# Altium PCB STM32F103最小系统板.PcbDoc (part 2 of 2)
Units mm, origin at the board's own origin, x right, y up, seen from the top; angles counter-clockwise.
Board outline 88.77 x 107.95 mm, 2 copper layers (Top Layer, Bottom Layer); 199 components, 158 nets, 632 pads, 213 vias.
Unrouted connection lines stored in the file: 1.
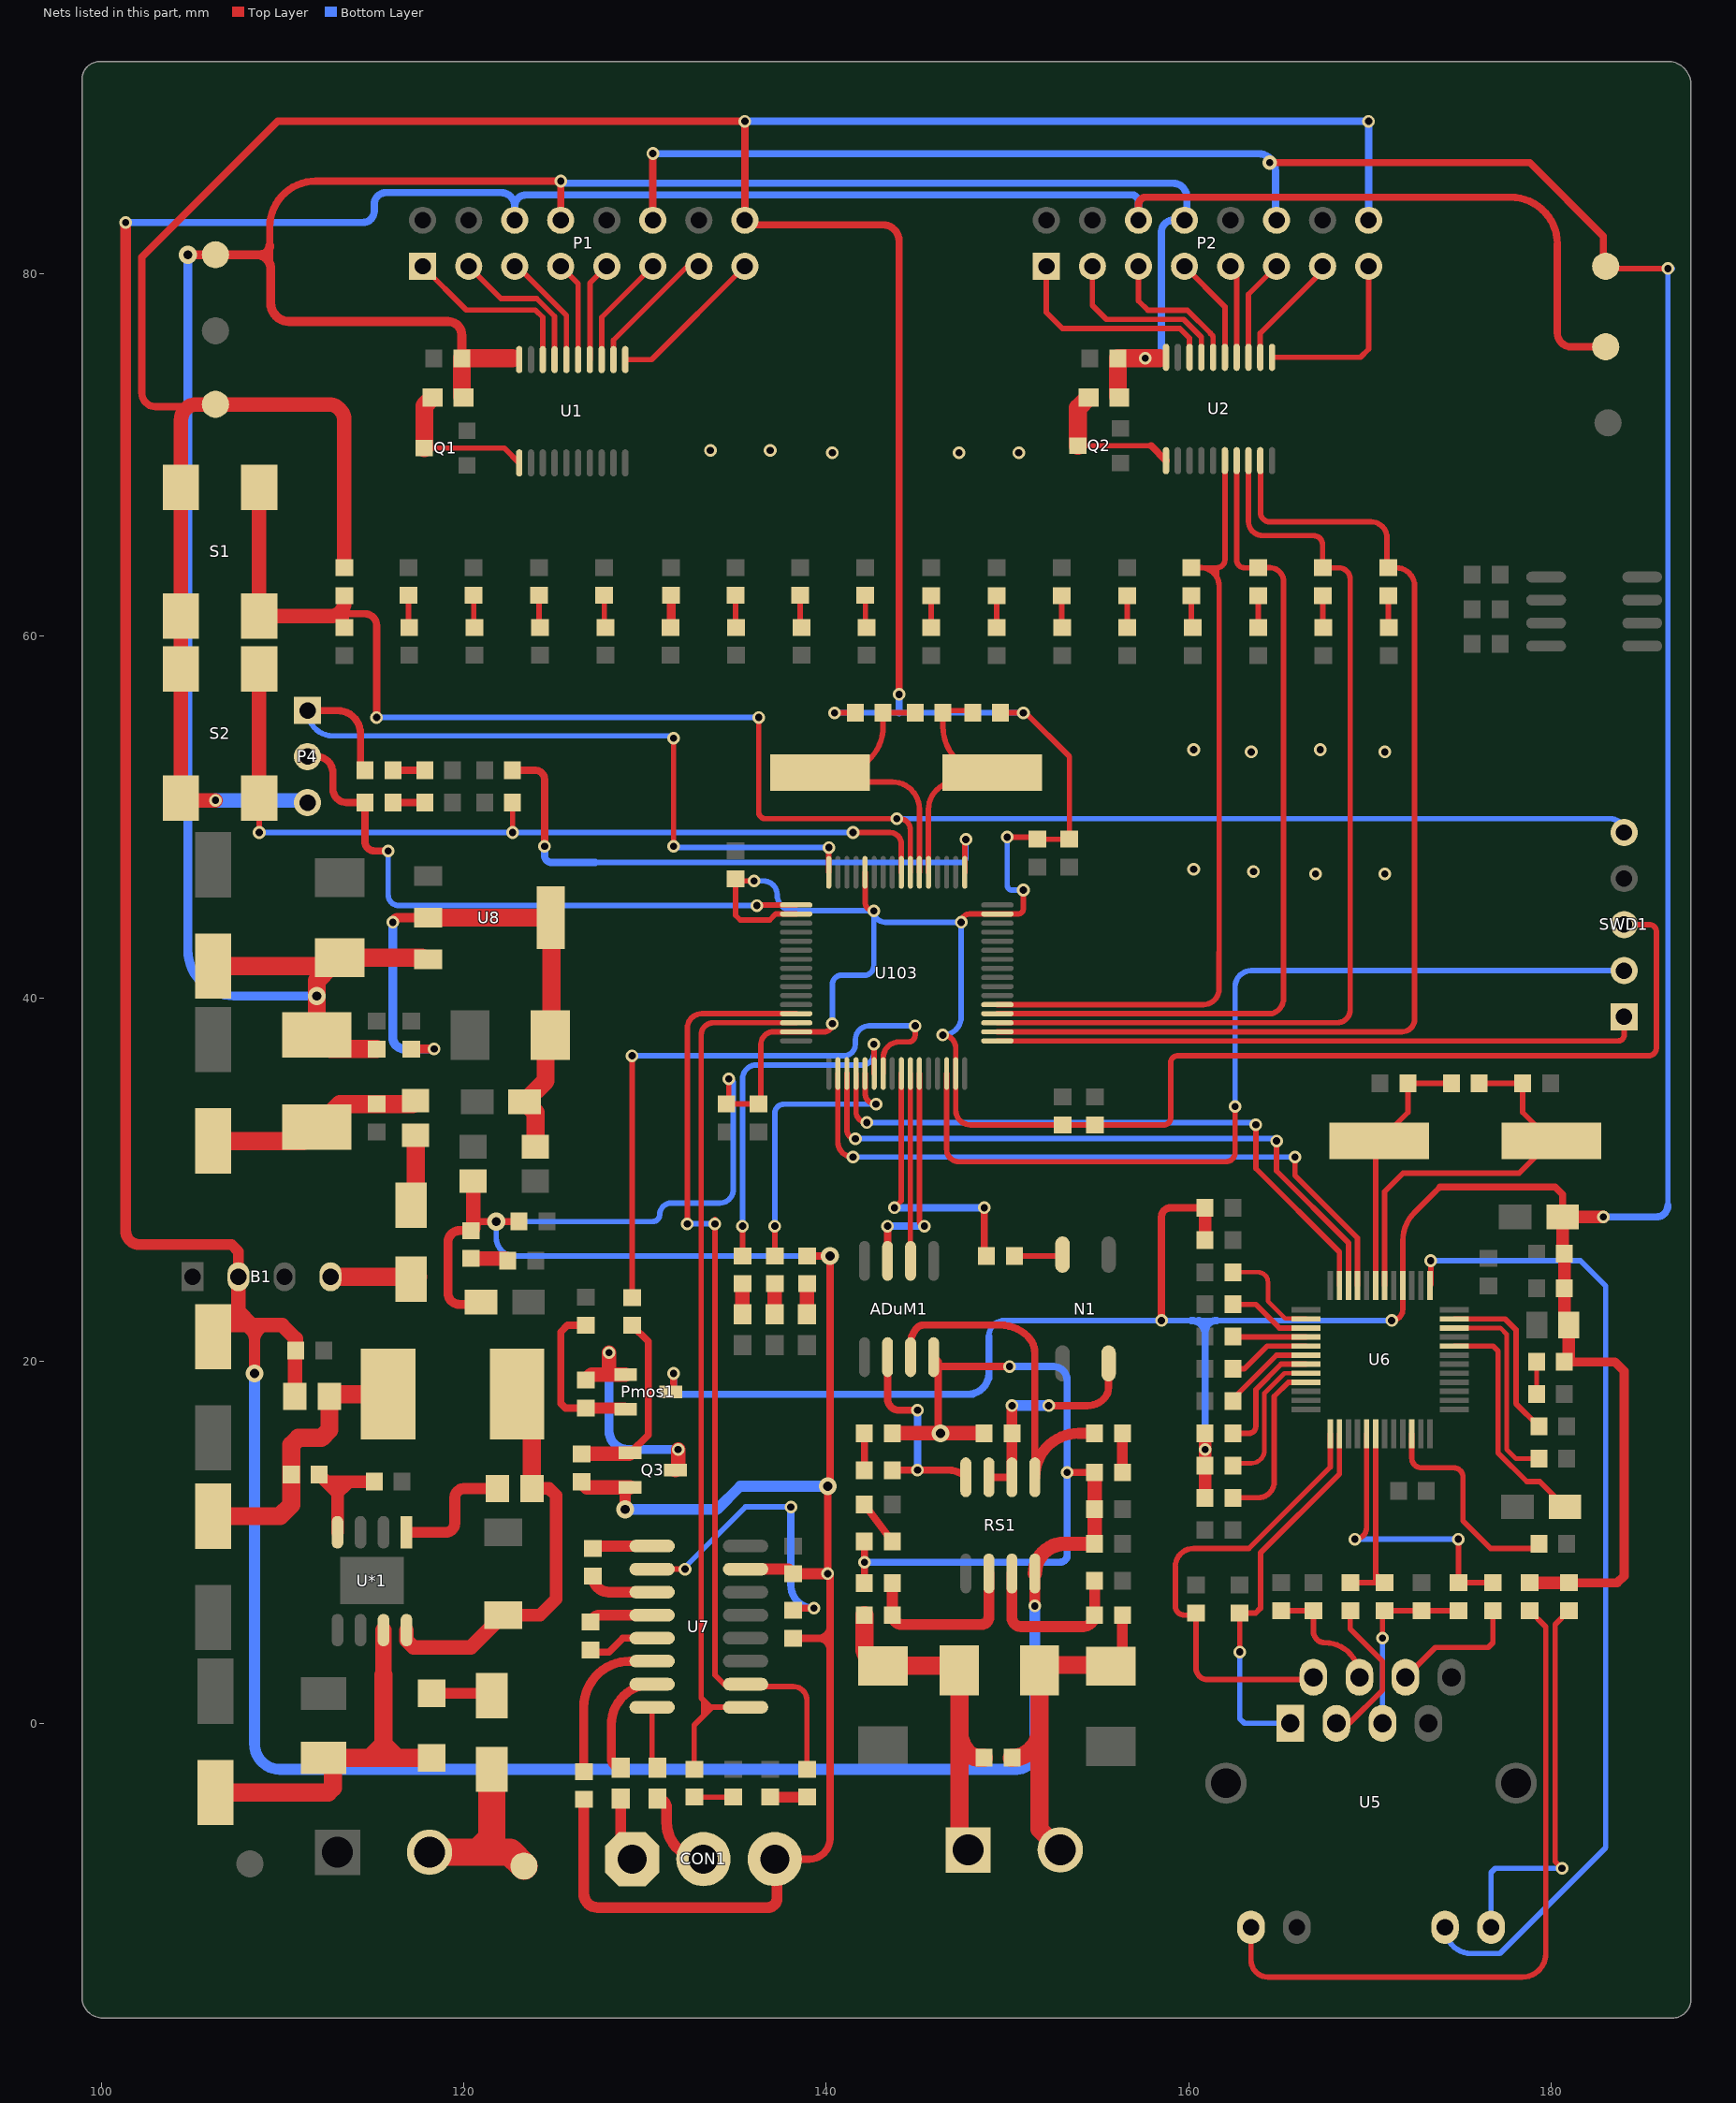
[diagram p2: the nets of this part, all layers, seen from the top]

## Via types
v1: diameter 0.7, hole 0.4, Top Layer to Bottom Layer, 192 vias
v2: diameter 1, hole 0.5, Top Layer to Bottom Layer, 14 vias
v3: diameter 6, hole 3.2, Top Layer to Bottom Layer, 4 vias
v4: diameter 1.3, hole 0.7, Top Layer to Bottom Layer, 2 vias
v5: diameter 0.8, hole 0.4, Top Layer to Bottom Layer, 1 vias

## Nets (pads, with @x,y where several pads share a name; then routed paths per layer and width w, separated by ;. In a path a pad name is that pad's centre, name@x,y a point inside that pad or via, vN(x,y) a via of type N, cw(c..) or ccw(c..) an arc to the next point about the centre after c; other vN are vias at no path point) (continued)
IN_OUT13: D12.K U2.6 U103.53 | length 45.5
  Top Layer w0.3: U103.53@149.441,39.652 160.81,39.652 ccw(c160.81,40.513) 161.671,40.513 161.671,42.545 161.679,42.545 ; 161.679,42.192 161.679,42.545 ; U2.6@161.996,69.667 161.996,64.206 cw(c161.544,64.206) 161.544,63.754 ; 160.783,63.754 cw(c160.655,62.738) 161.544,63.246 ; 160.783,63.754 ccw(c160.655,62.738) 160.655,63.762 D12.K@160.147,63.762 160.147,63.754 160.783,63.754 ; 160.783,63.754 161.544,63.754 ; 161.544,63.246 cw(c160.655,62.738) 161.679,62.738 161.679,42.545 ; 161.544,63.246 161.544,63.754
IN_OUT14: D11.K U2.7 U103.52 | length 48.5
  Top Layer w0.3: U103.52@149.441,39.152 162.433,39.152 ; U2.7@162.646,69.667 162.646,64.176 ccw(c163.068,64.176) 163.068,63.754 D11.K@163.83,63.754 ; 162.695,39.152 162.433,39.152 ; D11.K@163.83,64.008 D11.K@163.83,63.762 164.465,63.762 cw(c164.465,62.992) 165.235,62.992 165.235,40.013 cw(c164.338,40.013) 164.59,39.152 162.433,39.152
IN_OUT15: D14.K U2.8 U103.51 | length 56.1
  Top Layer w0.3: U103.51@149.441,38.652 168.192,38.652 ccw(c168.192,39.37) 168.91,39.37 168.91,41.021 ; U2.8@163.296,69.667 163.296,66.32 ccw(c164.084,66.32) 164.084,65.532 166.878,65.532 cw(c166.878,65.024) 167.386,65.024 167.386,63.774 ccw(c167.406,63.774) D14.K@167.406,63.754 ; D14.K@167.406,64.115 D14.K@167.406,63.754 ; 168.91,40.513 168.91,41.021 ; 168.91,62.484 168.91,62.23 ; D14.K@167.406,63.754 168.275,63.754 cw(c168.275,63.119) 168.91,63.119 168.91,62.23 ; 168.91,41.021 168.91,62.23
IN_OUT16: D16.K U2.9 U103.50 | length 61.7
  Top Layer w0.3: U103.50@149.441,38.152 171.756,38.152 ccw(c171.756,38.862) 172.466,38.862 172.466,62.738 ccw(c171.45,62.738) 171.45,63.754 D16.K@171.008,63.754 cw(c171.008,63.82) 170.942,63.82 170.942,65.405 ccw(c170.053,65.405) 170.053,66.294 164.465,66.294 cw(c164.465,66.802) 163.957,66.802 163.957,69.656 U2.9@163.946,69.667
INTERNETRST: R68.2 U103.39 | length 33.9
  Top Layer w0.3: R68.2@129.286,23.495 v1(129.286,36.83) ; U103.39@143.141,35.852 143.141,36.715 cw(c144.018,36.715) 144.018,37.592 144.526,37.592 ccw(c144.526,37.973) 144.907,37.973 v1(144.907,38.481)
  Bottom Layer w0.3: v1(129.286,36.83) 140.97,36.83 ccw(c140.97,37.465) 141.605,37.465 141.605,37.719 cw(c142.367,37.719) 142.367,38.481 v1(144.907,38.481)
LD1: D19.K U103.37 | length 15.8
  Top Layer w0.3: D19.K@137.16,25.789 v1(137.16,27.432) ; U103.37@142.141,35.852 142.141,34.77 ccw(c142.748,34.77) v1(142.748,34.163)
  Bottom Layer w0.3: v1(137.16,27.432) 137.16,33.655 cw(c137.668,33.655) 137.668,34.163 v1(142.748,34.163)
LD2: D20.K U103.38 | length 19.9
  Top Layer w0.3: D20.K@135.382,25.789 v1(135.382,27.432) ; v1(142.621,37.465) cw(c142.621,37.445) 142.641,37.445 U103.38@142.641,35.852
  Bottom Layer w0.3: v1(135.382,27.432) 135.382,35.56 cw(c136.144,35.56) 136.144,36.322 141.986,36.322 ccw(c141.986,36.957) 142.621,36.957 v1(142.621,37.465)
LINKLED: U5.11 U6.25 | length 54.7
  Top Layer w0.3: U6.25@173.355,24.21 v1(173.355,25.527)
  Bottom Layer w0.3: v1(173.355,25.527) 181.61,25.527 183.007,24.13 183.007,-6.858 177.165,-12.7 175.589,-12.7 cw(c175.589,-11.25) U5.11@174.139,-11.25
NetADuM1_6: ADuM1.6 D18.K RS1.4 | length 11.8
  Top Layer w0.4: ADuM1.6@143.383,20.206 143.383,17.907 ccw(c144.018,17.907) 144.018,17.272 v1(145.034,17.272) ; D18.K@143.645,13.97 v1(145.034,13.97) 146.75,13.97 cw(c146.75,12.625) RS1.4@147.701,13.576
  Bottom Layer w0.4: v1(145.034,13.97) v1(145.034,17.272)
NetADuM1_7: ADuM1.7 D17.K RS1.1 | length 20.6
  Top Layer w0.4: ADuM1.7@144.653,20.206 144.653,20.924 cw(c145.954,20.924) 145.034,21.844 cw(c145.341,21.537) 145.341,21.971 149.597,21.971 cw(c149.597,19.803) 151.13,21.336 cw(c150.21,20.416) 151.511,20.416 RS1.1@151.511,13.576
  Top Layer w0.6: RS1.1@151.511,13.576 cw(c153.937,13.576) 153.937,16.002 D17.K@154.805,16.002
NetB1_4: B1.4 D27.1 | length 4.8
  Top Layer w1: B1.4@112.649,24.638 D27.1@117.475,24.638
NetC4_2: C4.2 R30.2 U103.5 Y1.2 | length 14.9
  Top Layer w0.3: U103.5@145.641,46.952 145.641,50.419 cw(c147.165,50.419) Y1.2@147.165,51.943 ; Y1.2@146.812,51.943 Y1.2@147.165,51.943 ; C4.2@148.074,55.88 R30.2@146.566,55.88 ; Y1.2@148.979,52.451 cw(c148.979,54.991) 146.439,54.991 R30.2@146.439,55.753 ; Y1.2@149.149,51.943 Y1.2@147.165,51.943 ; R30.2@146.439,55.753 cw(c146.566,55.753) R30.2@146.566,55.88 ; R30.2@146.439,55.753 cw(c146.566,55.753) R30.2@146.566,55.88
NetC6_2: C6.2 R30.1 U103.6 Y1.1 | length 17.3
  Top Layer w0.3: Y1.1@139.649,51.943 143.637,51.943 cw(c143.637,50.439) 145.141,50.439 U103.6@145.141,46.952 ; Y1.1@139.649,52.451 140.597,52.451 ccw(c140.597,54.991) 143.137,54.991 C6.2@143.137,55.753 R30.1@144.899,55.753
NetC20_2: C20.2 R49.2 U6.31 Y2.1 | length 14.3
  Top Layer w0.3: U6.31@170.311,24.166 170.311,31.932 Y2.1@170.51,32.131 172.093,33.714 C20.2@172.093,35.306 R49.2@174.49,35.306
NetC22_2: C22.2 R49.1 U6.30 Y2.2 | length 21.9
  Top Layer w0.3: U6.30@170.811,24.166 170.811,29.333 171.831,30.353 178.232,30.353 Y2.2@180.01,32.131 178.427,33.714 178.427,35.433 178.3,35.306 R49.1@176.03,35.306
NetC27_1: C27.1 U6.20 | length 13.1
  Top Layer w0.3: U6.20@174.661,20.816 176.796,20.816 177.069,20.543 177.069,14.915 178.649,13.335 179.364,13.335 C27.1@180.761,11.938
NetC32_1: C32.1 U7.3 | length 3.8
  Top Layer w0.6: C32.1@127.127,8.12 ccw(c128.008,8.12) 128.008,7.239 U7.3@130.392,7.239
NetC32_2: C32.2 U7.1 | length 3.3
  Top Layer w0.6: C32.2@127.127,9.66 cw(c127.246,9.66) 127.246,9.779 U7.1@130.392,9.779
NetC33_1: C33.1 U7.2 | length 16.7
  Top Layer w0.3: U7.2@130.392,8.509 v1(132.207,8.509)
  Top Layer w0.4: C33.1@138.176,6.231 cw(c138.295,6.231) 138.295,6.35 v1(139.319,6.35)
  Bottom Layer w0.3: v1(132.207,8.509) 132.207,8.61 135.535,11.938 v1(138.049,11.938)
  Bottom Layer w0.4: v1(138.049,11.938) 138.049,7.62 ccw(c139.319,7.62) v1(139.319,6.35)
NetC34_1: C34.1 U7.5 | length 3.7
  Top Layer w0.4: C34.1@127,3.929 128.008,3.929 128.778,4.699 U7.5@130.392,4.699
NetC34_2: C34.2 U7.4 | length 3.7
  Top Layer w0.6: C34.2@127,5.469 cw(c127.5,5.469) 127.5,5.969 U7.4@130.392,5.969
NetC35_1: C35.1 U7.6 | length 8.8
  Top Layer w0.5: C35.1@126.619,-2.659 126.619,0.889 cw(c129.159,0.889) 129.159,3.429 U7.6@130.392,3.429
NetC36_1: C36.1 D26.2 L2.1 U*1.8 | length 22.1
  Top Layer w0.7: D26.2@122.174,5.969 124.206,5.969 125.095,6.858 125.095,12.573 124.714,12.954 C36.1@123.759,12.954
  Top Layer w0.8: U*1.8@116.84,5.141 116.84,4.572 117.221,4.191 120.396,4.191 D26.2@122.174,5.969
  Top Layer w1: C36.1@123.759,12.954 L2.1@123.759,17.714
NetC36_2: C36.2 U*1.1 | length 7
  Top Layer w0.6: U*1.1@116.84,10.541 118.999,10.541 ccw(c118.999,11.049) 119.507,11.049 119.507,12.446 cw(c120.015,12.446) 120.015,12.954 C36.2@121.859,12.954
NetC37_2: C37.2 E1.1 F1.2 U*1.7 | length 22.6
  Top Layer w0.89: 115.57,2.667 U*1.7@115.57,5.141
  Top Layer w1: E1.1@106.299,-3.81 112.522,-3.81 112.776,-3.556 C37.2@112.776,-1.905 ; C37.2@112.268,-1.905 C37.2@112.776,-1.905 ; 115.57,2.667 115.57,-1.143 ; F1.2@118.237,-1.905 116.332,-1.905 ; C37.2@112.776,-1.905 114.808,-1.905 ; 114.808,-1.905 115.57,-1.143 ; 114.808,-1.905 116.332,-1.905 ; 115.57,-1.143 116.332,-1.905
NetC40_2: C40.2 D29.2 E4.1 L3.1 U8.2 U8.4 | length 32.5
  Top Layer w0.5: v1(116.078,44.196) cw(c116.332,44.196) 116.332,44.45 U8.2@118.037,44.45 ; C40.2@117.094,37.203 117.102,37.211 v1(118.364,37.211)
  Top Layer w1: U8.2@118.037,44.45 U8.4@124.787,44.45 124.841,44.45 124.841,38.767 D29.2@124.279,38.205 ; L3.1@123.952,31.811 123.952,33.695 E4.1@123.357,34.29 124.511,35.444 D29.2@124.511,37.973
  Bottom Layer w0.5: v1(116.078,44.196) 116.078,37.846 ccw(c116.713,37.846) 116.713,37.211 v1(118.364,37.211)
NetC41_2: C41.2 E6.1 F3.2 L4.1 | length 10.8
  Top Layer w1: E6.1@106.172,32.131 L4.1@111.125,32.131 ; L4.1@111.887,32.893 113.165,34.171 C41.2@115.189,34.171 F3.2@117.168,34.171
NetCON1_1: CON1.1 R61.1 | length 3.7
  Top Layer w0.6: R61.1@128.651,-4.152 128.651,-6.858 ccw(c129.286,-6.858) CON1.1@129.286,-7.493
NetCON1_2: CON1.2 R62.1 | length 4.8
  Top Layer w0.6: R62.1@130.683,-4.152 cw(c130.683,-4.66) 131.191,-4.66 131.191,-5.461 ccw(c133.223,-5.461) CON1.2@133.223,-7.493
NetD1_A: D1.A R3.2 | length 1.7
  Top Layer w0.3: R3.2@116.947,60.509 D1.A@116.947,62.23
NetD2_A: D2.A R4.2 | length 1.8
  Top Layer w0.3: R4.2@145.796,60.46 D2.A@145.796,62.214
NetD3_A: D3.A R5.2 | length 1.7
  Top Layer w0.3: R5.2@120.549,60.514 D3.A@120.549,62.23
NetD4_A: D4.A R6.2 | length 1.7
  Top Layer w0.3: R6.2@149.398,60.465 D4.A@149.398,62.214
NetD5_A: D5.A R7.2 | length 1.7
  Top Layer w0.3: R7.2@124.15,60.519 D5.A@124.15,62.23
NetD6_A: D6.A R8.2 | length 1.7
  Top Layer w0.3: R8.2@152.999,60.47 D6.A@152.999,62.214
NetD7_A: D7.A R9.2 | length 1.7
  Top Layer w0.3: R9.2@127.752,60.525 D7.A@127.752,62.23
NetD8_A: D8.A R10.2 | length 1.7
  Top Layer w0.3: R10.2@156.601,60.475 D8.A@156.601,62.214
NetD9_A: D9.A R13.2 | length 1.7
  Top Layer w0.3: R13.2@134.997,60.493 D9.A@134.997,62.23
NetD10_A: D10.A R11.2 | length 1.7
  Top Layer w0.5: R11.2@131.441,60.493 D10.A@131.441,62.23
NetD11_A: D11.A R14.2 | length 1.8
  Top Layer w0.3: R14.2@163.83,60.46 D11.A@163.83,62.222
NetD12_A: D12.A R12.2 | length 1.7
  Top Layer w0.3: R12.2@160.147,60.536 D12.A@160.147,62.222
NetD13_A: D13.A R15.2 | length 1.7
  Top Layer w0.3: R15.2@138.557,60.54 D13.A@138.557,62.23
NetD14_A: D14.A R16.2 | length 1.7
  Top Layer w0.3: R16.2@167.406,60.491 D14.A@167.406,62.214
NetD15_A: D15.A R17.2 | length 1.7
  Top Layer w0.3: R17.2@142.159,60.545 D15.A@142.159,62.23
NetD16_A: D16.A R18.2 | length 1.7
  Top Layer w0.3: R18.2@171.008,60.496 D16.A@171.008,62.214
NetD17_A: D17.A R20.1 | length 2.2
  Top Layer w0.6: R20.1@156.345,13.843 D17.A@156.345,16.002
NetD18_A: D18.A R21.2 | length 2
  Top Layer w0.4: D18.A@142.105,13.97 R21.2@142.105,16.002
NetD19_A: D19.A R32.2 | length 1.7
  Top Layer w0.8: R32.2@137.16,22.567 D19.A@137.16,24.249
NetD20_A: D20.A R34.2 | length 1.7
  Top Layer w0.8: R34.2@135.382,22.567 D20.A@135.382,24.249
NetD21_A: D21.A R36.1 | length 1.7
  Top Layer w0.8: R36.1@138.938,22.567 D21.A@138.938,24.249
NetD22_A: D22.A R46.1 | length 1.8
  Top Layer w0.254: D22.A@179.189,18.161 R46.1@179.189,19.939
NetD23_A: D23.A R59.1 | length 2.2
  Top Layer w0.3: D23.A@132.715,-4.072 R59.1@134.874,-4.072
NetD24_A: D24.A R60.2 | length 2
  Top Layer w0.6: R60.2@136.906,-4.072 D24.A@138.938,-4.072
NetD25_2: D25.2 F1.1 | length 3.4
  Top Layer w0.6: F1.1@118.237,1.651 121.412,1.651 cw(c121.412,1.524) D25.2@121.539,1.524
NetD27_2: D27.2 F3.1 | length 3.6
  Top Layer w1: D27.2@117.348,28.829 F3.1@117.348,32.451
NetD30_A: D30.A R65.1 | length 2.4
  Top Layer w0.4: D30.A@142.105,12.065 R65.1@143.584,10.114
NetD31_A: D31.A R66.2 | length 1.9
  Top Layer w0.8: D31.A@120.396,25.646 R66.2@122.309,25.646
NetD32_A: D32.A R71.2 | length 1.8
  Top Layer w0.4: D32.A@116.086,52.578 R71.2@117.848,52.578
NetD33_A: D33.A R70.2 | length 1.8
  Top Layer w0.4: D33.A@116.086,50.8 R70.2@117.848,50.8
NetE2_1: E2.1 F2.1 L2.2 R63.2 | length 15.3
  Top Layer w1: E2.1@106.172,11.43 109.855,11.43 110.482,12.057 R63.2@110.482,13.716 110.482,15.359 110.871,15.748 112.141,15.748 112.583,16.19 F2.1@112.583,18.034 ; F2.1@112.71,18.161 L2.2@115.824,18.161
NetFB1_1: FB1.1 P3.2 R24.2 TVS1.1 TVS2.2 | length 20.3
  Top Layer w0.6: TVS2.2@151.765,2.921 cw(c152.065,2.921) TVS2.2@152.065,3.221 ; TVS1.1@155.702,3.15 ccw(c155.702,3.793) 155.995,3.221 ccw(c155.702,3.793) 156.345,3.793 FB1.1@156.345,5.969
  Top Layer w1: R24.2@150.249,-1.905 ccw(c150.249,-0.391) 151.319,-1.462 151.384,-1.397 ccw(c150.464,-0.477) 151.765,-0.477 ; TVS2.2@151.765,2.921 151.765,-0.477 ; TVS2.2@152.065,3.221 TVS1.1@155.995,3.221 ; P3.2@152.908,-6.985 151.765,-5.842 151.765,-0.477
NetFB1_2: FB1.2 R23.2 RS1.7 | length 9.5
  Top Layer w0.6: RS1.7@150.241,8.268 150.241,5.842 ccw(c150.749,5.842) 150.749,5.334 154.17,5.334 ccw(c154.17,5.969) FB1.2@154.805,5.969 R23.2@154.805,7.874
NetFB2_1: FB2.1 P3.1 R24.1 TVS2.1 TVS3.2 | length 20.1
  Top Layer w1: FB2.1@142.105,5.969 142.105,4.199 ccw(c143.129,4.199) TVS3.2@143.129,3.175 147.091,3.175 cw(c147.091,2.921) TVS2.1@147.345,2.921 147.345,-0.485 ; P3.1@147.828,-6.985 147.345,-6.502 147.345,-0.485 ; R24.1@148.709,-1.905 148.441,-1.905 cw(c148.441,-1.038) 147.828,-1.651 cw(c148.994,-0.485) 147.345,-0.485
NetFB2_2: FB2.2 R25.1 RS1.6 | length 10
  Top Layer w0.6: R25.1@143.645,7.747 FB2.2@143.645,5.969 ccw(c144.153,5.969) 144.153,5.461 148.59,5.461 ccw(c148.59,5.842) 148.971,5.842 RS1.6@148.971,8.268
NetJ1_1: J1.1 Pmos1.2 R67.2 | length 9.1
  Top Layer w0.4: R67.2@126.746,17.391 125.611,17.391 125.349,17.653 125.349,21.59 125.722,21.963 J1.1@126.746,21.963
  Top Layer w0.6: R67.2@126.746,17.391 Pmos1.2@128.872,17.391
NetN1_2: N1.2 R22.2 | length 2.7
  Top Layer w0.3: R22.2@150.376,25.781 152.956,25.781 ccw(c152.956,25.86) N1.2@153.035,25.86
NetN1_4: N1.4 R19.2 RS1.2 RS1.3 | length 12.4
  Top Layer w0.4: RS1.3@148.971,13.576 RS1.2@150.241,13.576 ; v1(152.273,17.526) 154.401,17.526 ccw(c154.401,18.827) 155.321,17.907 ccw(c154.708,18.52) 155.575,18.52 N1.4@155.575,19.86
  Top Layer w0.6: RS1.2@150.241,13.576 R19.2@150.241,16.002 ; R19.2@150.249,16.002 v1(150.249,17.526)
  Bottom Layer w0.6: v1(150.249,17.526) v1(152.273,17.526)
NetP1_1: P1.1 U1.18 | length 10.1
  Top Layer w0.3: P1.1@117.729,80.391 120.142,77.978 123.952,77.978 124.359,77.571 U1.18@124.359,75.24
NetP1_3: P1.3 U1.17 | length 8.3
  Top Layer w0.3: P1.3@120.269,80.391 122.047,78.613 124.024,78.613 125.009,77.628 U1.17@125.009,75.24
NetP1_5: P1.5 U1.16 | length 6.4
  Top Layer w0.3: P1.5@122.809,80.391 122.953,80.391 125.659,77.685 U1.16@125.659,75.24
NetP1_7: P1.7 U1.15 | length 5.5
  Top Layer w0.3: P1.7@125.349,80.391 126.309,79.431 U1.15@126.309,75.24
NetP1_9: P1.9 U1.14 | length 5.5
  Top Layer w0.3: U1.14@126.959,75.24 126.959,79.461 P1.9@127.889,80.391
NetP1_11: P1.11 U1.13 | length 6.3
  Top Layer w0.3: U1.13@127.609,75.24 127.609,77.571 P1.11@130.429,80.391
NetP1_13: P1.13 U1.12 | length 7.5
  Top Layer w0.3: U1.12@128.259,75.24 128.259,76.316 132.334,80.391 P1.13@132.969,80.391
NetP1_15: P1.15 U1.11 | length 8.7
  Top Layer w0.3: U1.11@128.909,75.24 130.358,75.24 P1.15@135.509,80.391
NetP2_1: P2.1 U2.18 | length 12.1
  Top Layer w0.3: P2.1@152.146,80.391 152.146,77.851 153.035,76.962 159.512,76.962 160.046,76.428 U2.18@160.046,75.367
NetP2_3: P2.3 U2.17 | length 10
  Top Layer w0.3: P2.3@154.686,80.391 154.686,78.232 155.456,77.462 159.719,77.462 160.696,76.485 U2.17@160.696,75.367
NetP2_5: P2.5 U2.16 | length 8
  Top Layer w0.3: P2.5@157.226,80.391 157.226,78.486 157.75,77.962 159.926,77.962 161.196,76.692 161.196,76.675 161.346,76.525 U2.16@161.346,75.367
NetP2_7: P2.7 U2.15 | length 5.9
  Top Layer w0.3: P2.7@159.766,80.391 161.996,78.161 U2.15@161.996,75.367
NetP2_9: P2.9 U2.14 | length 5.2
  Top Layer w0.3: P2.9@162.306,80.391 162.646,80.051 U2.14@162.646,75.367
NetP2_11: P2.11 U2.13 | length 5.7
  Top Layer w0.3: U2.13@163.296,75.367 163.296,78.841 P2.11@164.846,80.391
NetP2_13: P2.13 U2.12 | length 6.4
  Top Layer w0.3: U2.12@163.946,75.367 163.946,76.697 167.386,80.137 P2.13@167.386,80.391
NetP2_15: P2.15 U2.11 | length 10.1
  Top Layer w0.3: U2.11@164.596,75.367 169.474,75.367 169.926,75.819 P2.15@169.926,80.391
NetPmos1_1: Pmos1.1 Q3.3 R67.1 | length 13.3
  Top Layer w0.8: R67.1@126.746,18.931 127.053,19.238 Pmos1.1@128.925,19.238 ; 128.016,19.365 v1(128.016,20.447) ; Q3.3@131.679,13.97 131.826,14.117 v1(131.826,15.113)
  Bottom Layer w0.5: v1(128.016,20.447) 128.016,16.129 ccw(c129.032,16.129) 129.032,15.113 v1(131.826,15.113)
NetQ1_3: Q1.3 R1.1 U1.1 | length 8.6
  Top Layer w0.3: Q1.3@117.824,70.358 122.241,70.358 U1.1@123.059,69.54
  Top Layer w1: Q1.3@117.824,70.358 117.824,72.7 R1.1@118.276,73.152
NetQ2_3: Q2.3 R2.1 U2.1 | length 8.1
  Top Layer w0.3: Q2.3@153.892,70.485 157.928,70.485
  Top Layer w0.4: 157.928,70.485 U2.1@158.746,69.667
  Top Layer w1: Q2.3@153.892,70.485 153.892,72.573 R2.1@154.471,73.152
NetQ3_1: Q3.1 R68.1 R69.2 | length 10.4
  Top Layer w0.4: Q3.1@129.179,14.92 130.175,15.916 130.175,21.066 R68.1@129.286,21.955
  Top Layer w0.8: R69.2@126.492,14.867 Q3.1@129.126,14.867
NetR26_2: R26.2 U103.1 | length 32.6
  Top Layer w0.3: U103.1@147.641,46.952 v1@147.641,48.708
  Top Layer w0.4: R26.2@122.69,52.578 123.952,52.578 cw(c123.952,52.07) 124.46,52.07 v1(124.46,48.387)
  Bottom Layer w0.3: 127.254,47.498 147.447,47.498 ccw(c147.447,47.752) 147.701,47.752 v1(147.701,48.768)
  Bottom Layer w0.4: v1(124.46,48.387) 124.46,47.879 ccw(c124.841,47.879) 124.841,47.498 127.254,47.498
NetR37_2: R37.2 U6.45 | length 9.6
  Top Layer w0.3: R37.2@162.441,12.446 163.83,12.446 ccw(c163.83,13.335) 164.719,13.335 164.719,18.034 165.501,18.816 U6.45@166.461,18.816
NetR38_2: R38.2 U6.44 | length 8.1
  Top Layer w0.254: R38.2@162.441,14.224 162.568,14.351 163.449,14.351 ccw(c163.449,15.082) 164.18,15.082 164.18,18.217 165.279,19.316 U6.44@166.461,19.316
NetR39_2: R39.2 U6.43 | length 6.8
  Top Layer w0.3: R39.2@162.441,16.002 163.322,16.002 ccw(c163.322,16.383) 163.703,16.383 163.703,18.415 165.104,19.816 U6.43@166.461,19.816
NetR40_2: R40.2 U6.42 | length 5.1
  Top Layer w0.3: R40.2@162.441,17.78 162.441,17.915 164.842,20.316 U6.42@166.461,20.316
NetR41_2: R41.2 U6.41 | length 4.5
  Top Layer w0.3: R41.2@162.441,19.558 163.068,19.558 164.326,20.816 U6.41@166.461,20.816
NetR42_2: R42.2 U6.40 | length 4
  Top Layer w0.3: R42.2@162.461,21.316 U6.40@166.461,21.316
NetR43_2: R43.2 U6.39 | length 4.6
  Top Layer w0.3: R43.2@162.441,23.114 163.703,23.114 165.001,21.816 U6.39@166.461,21.816
NetR44_2: R44.2 U6.38 | length 6
  Top Layer w0.254: R44.2@162.568,24.765 R44.2@162.441,24.892 163.83,24.892 cw(c163.83,24.353) 164.369,24.353 164.369,23.297 165.327,22.339 166.438,22.339 U6.38@166.461,22.316
NetR50_1: R50.1 U5.9 | length 38.6
  Top Layer w0.3: U5.9@163.433,-11.25 163.433,-13.054 ccw(c164.38,-13.054) 164.38,-14.001 178.404,-14.001 ccw(c178.404,-12.7) 179.705,-12.7 179.705,5.326 R50.1@178.816,6.215